# Allegro board trx_layout.brd (continued)
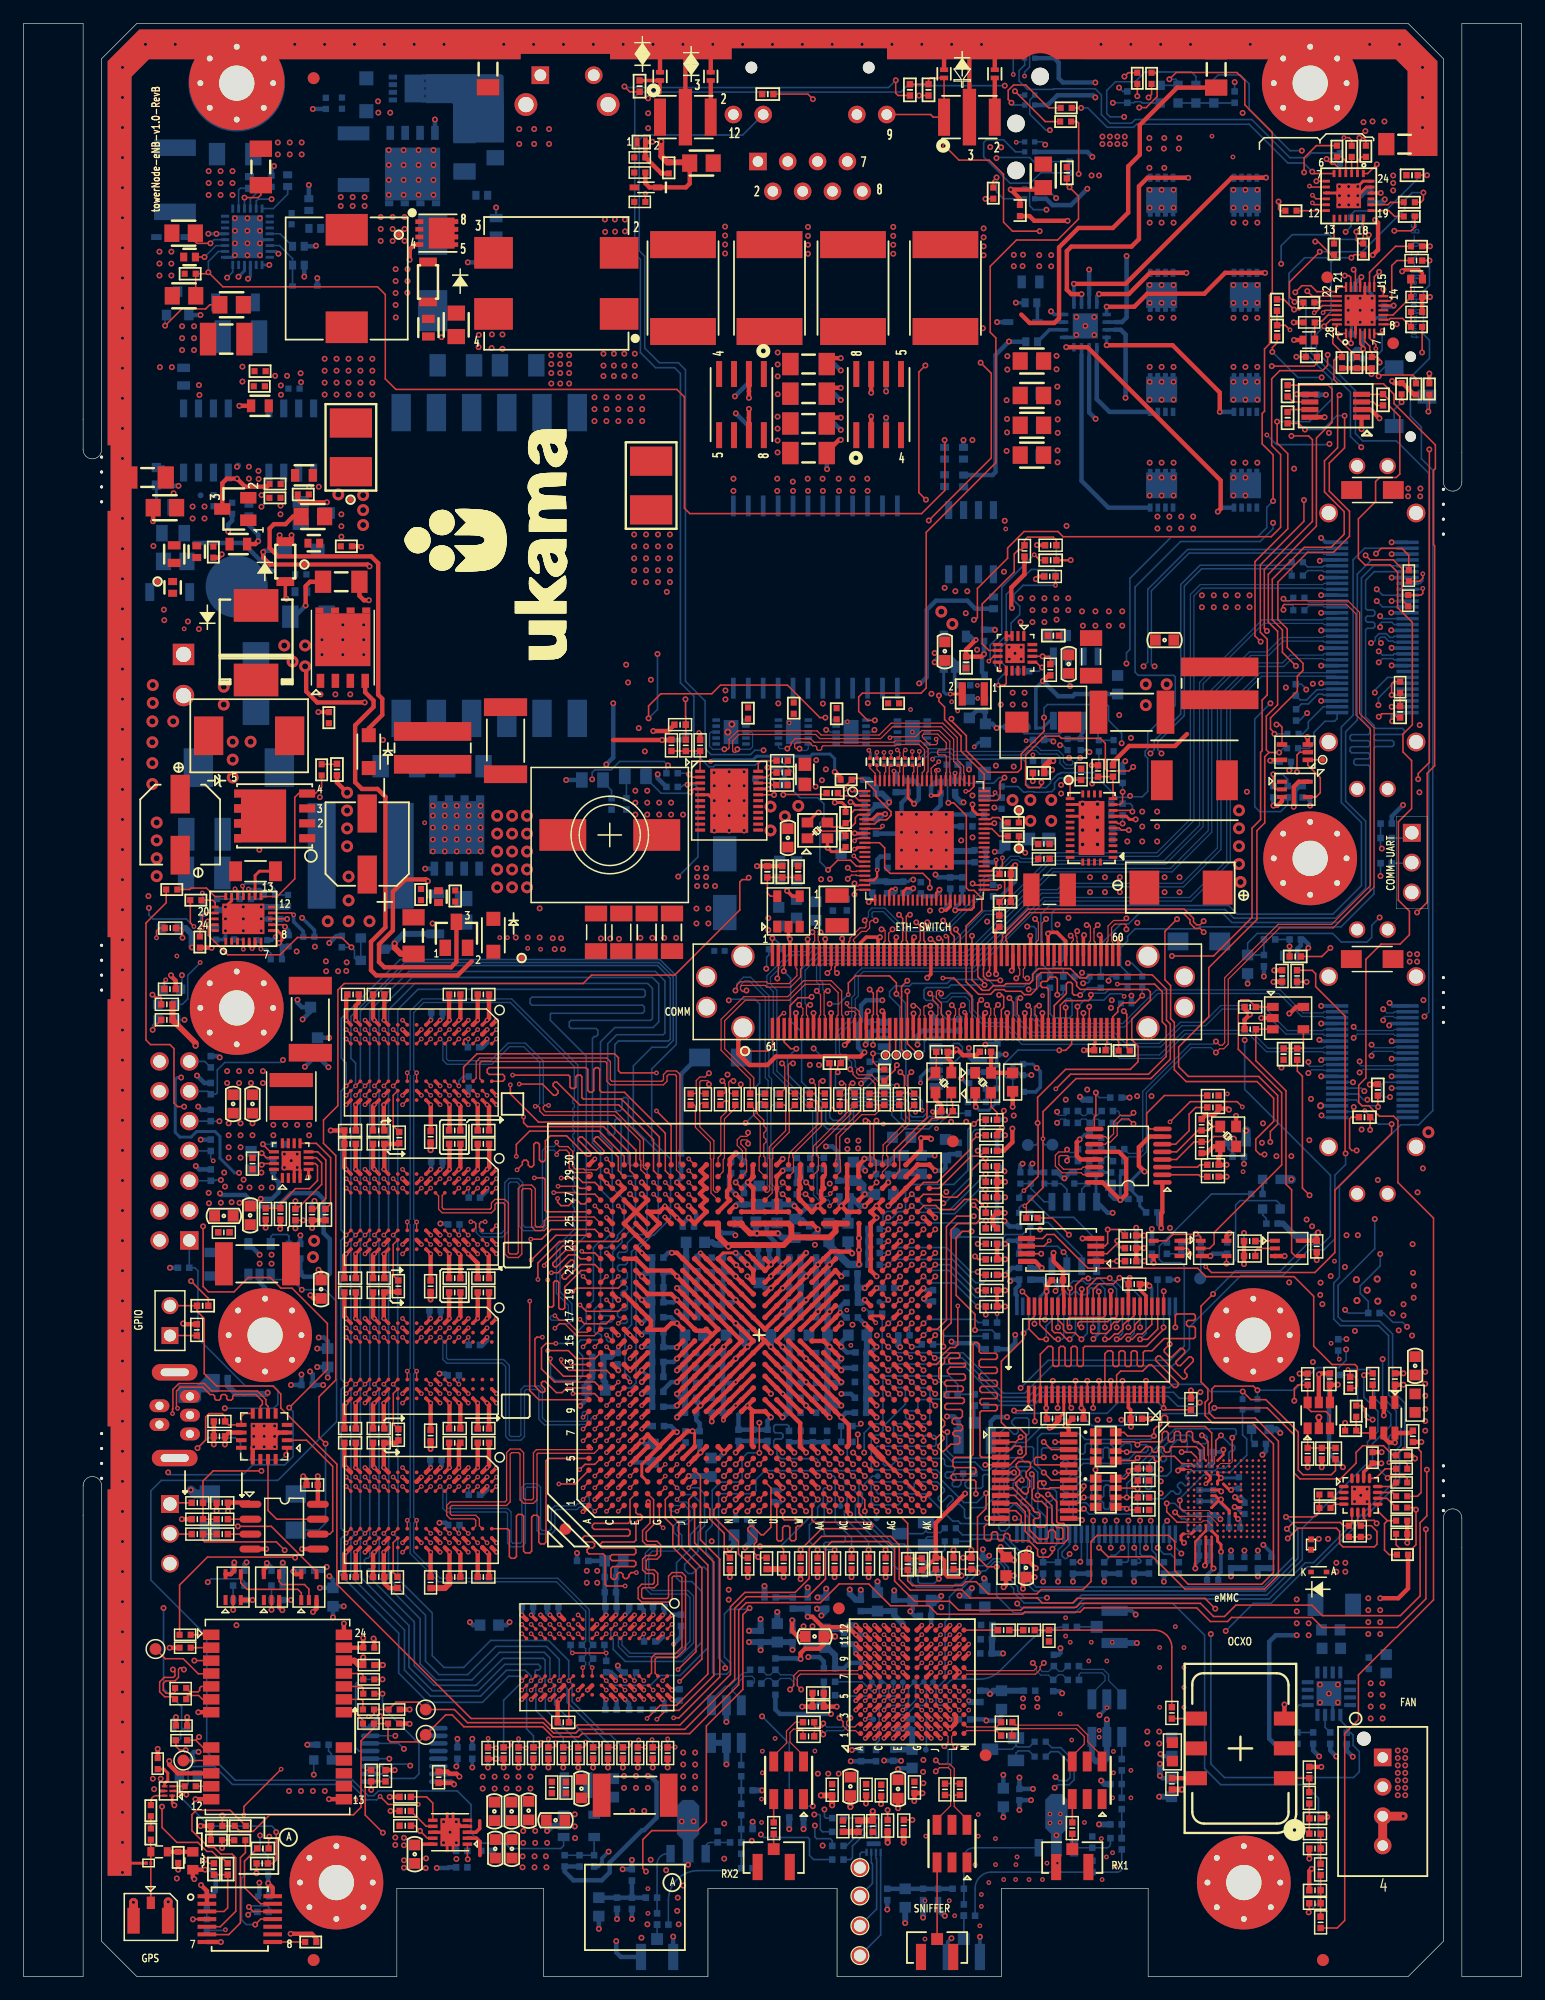
[diagram p0: board, top side]
## Placement (name value [footprint] x y rotation side) (continued)
R233  0  [EIA-0402]  32.52 14.09 180 top
R234  0  [EIA-0402]  73.61 12.85 270 top
R235  14.3K/1%  [EIA-0402]  74.98 12.85 90 top
R236  1K  [EIA-0402]  32.52 12.84 0 top
R237  1/1%  [EIA-0402]  71.12 12.8 270 top
R238  10K/1%  [EIA-0402]  110.02 12.16 180 top
R239  0  [EIA-0402]  110.5 9.12 90 top
R240  49.9/1%  [EIA-0402]  110.01 6.24 0 top
R241  0  [EIA-0402]  115.81 134.25 90 top
R242  0/DNP  [EIA-0402]  110.5 4.61 90 top
R245  10K  [R0402]  27.13 159.51 90 bottom
R248  15m  [RC2010]  28.12 154.74 270 bottom
R250  0  [RC0402]  22.5 152.91 270 bottom
R251  29.4K  [R0402]  21.13 152.86 90 bottom
R252  107K  [RC0402]  19.25 152.76 270 bottom
R255  100  [RC0402]  39.04 151.66 0 bottom
R256  0  [RC0402]  24.31 150.88 90 bottom
R258  3.3K  [RC0603]  40.26 148.97 270 bottom
R259  0  [RC0402]  24.82 148.84 0 bottom
R262  0  [RC0402]  23.42 147.32 180 bottom
R263  0  [RC0402]  23.42 145.72 180 bottom
R265  DNP  [RC0402]  85.82 142.51 0 bottom
R267  0  [RC0402]  85.88 139.19 180 bottom
R268  75E  [RC0603]  85.84 137.42 0 bottom
R269  1M  [RC1206]  66.88 137.3 0 bottom
R270  OPT  [RC1206]  36.83 137.19 180 bottom
R271  4.7k  [RC0603]  13.64 136.22 270 bottom
R272  1M  [RC1206]  66.88 134.77 0 bottom
R273  75E  [RC0603]  85.8 134.76 0 bottom
R274  1M  [RC1206]  66.88 132.23 180 bottom
R275  75E  [RC0603]  85.84 132.04 0 bottom
R276  1M  [RC1206]  66.88 129.72 180 bottom
R277  75E  [RC0603]  85.8 129.49 0 bottom
R278  0  [RC0402]  80.09 127.34 90 bottom
R279  10K  [R0402]  16.19 125.66 270 bottom
R280  20K  [RC0402]  19.2 124.86 270 bottom
R281  OPT  [RC0805]  12.93 120.49 0 bottom
R282  5.1K  [RC0402]  23.63 117.91 0 bottom
R283  0E  [R0402]  108.64 117.4 180 bottom
R284  1K  [RC0402]  82.63 116.96 270 bottom
R285  0E  [R0402]  108.64 116.33 180 bottom
R286  14K/1%  [EIA-0402]  87.5 120.59 0 bottom
R287  OPT  [RC1206]  31.98 103.05 0 bottom
R288  0  [EIA-0402]  55.25 102.46 0 bottom
R289  2.05/1%  [EIA-0805]  52.13 102.18 180 bottom
R291  2.05/1%  [EIA-0805]  48.46 101.88 0 bottom
R292  10K  [EIA-0402]  55.25 101.29 0 bottom
R293  15K/1%  [EIA-0402]  107.7 100.88 90 bottom
R294  17.4K/1%  [EIA-0402]  93.15 99.87 0 bottom
R295  4.7K  [EIA-0402]  116.08 98.17 180 bottom
R296  33  [EIA-0402]  116.08 96.93 180 bottom
R298  33  [EIA-0402]  116.08 94.79 180 bottom
R299  OPT  [RC0805]  37.49 90.78 90 bottom
R300  0  [EIA-0402]  106.15 88.3 0 bottom
R302  0Ohm/DNP  [R0402]  63.97 87.47 0 bottom
R303  10K  [EIA-0402]  105.67 86.49 90 bottom
R304  0Ohm  [R0402]  93.58 85.14 0 bottom
R305  0Ohm  [R0402]  91.29 85.14 0 bottom
R306  0Ohm  [R0402]  89.06 85.14 180 bottom
R307  0Ohm  [R0402]  86.97 85.14 0 bottom
R308  0Ohm  [R0402]  95.3 84.68 90 bottom
R309  0Ohm/DNP  [R0402]  94.05 84.67 90 bottom
R310  0Ohm/DNP  [R0402]  91.77 84.67 90 bottom
R311  0Ohm/DNP  [R0402]  88.58 84.67 90 bottom
R312  0Ohm/DNP  [R0402]  87.45 84.67 90 bottom
R313  100/1%  [EIA-0402]  35.21 82.1 0 bottom
R316  10K  [EIA-0402]  71.99 80.78 90 bottom
R317  22  [EIA-0402]  38.34 79.12 180 bottom
R318  10K  [EIA-0402]  15.95 77.89 270 bottom
R319  10K  [EIA-0402]  72.09 77.4 90 bottom
R324  22  [EIA-0402]  37.92 76.15 90 bottom
R325  1K  [EIA-0402]  15.95 75.6 270 bottom
R327  -  [EIA-0402]  90.83 74.18 270 bottom
R328  33  [EIA-0402]  92.33 73.69 180 bottom
R329  1K  [EIA-0402]  15.95 73.32 270 bottom
R330  10K  [EIA-0402]  82.45 72.95 0 bottom
R331  33  [EIA-0402]  92.33 72.68 180 bottom
R332  -  [EIA-0402]  90.83 72.2 90 bottom
R333  1K  [EIA-0402]  82.45 71.63 0 bottom
R334  -  [EIA-0402]  91.8 70.92 270 bottom
R335  1K  [EIA-0402]  15.95 70.78 270 bottom
R336  33  [EIA-0402]  90.31 70.44 0 bottom
R337  1K  [EIA-0402]  82.45 70.31 0 bottom
R338  33  [EIA-0402]  90.3 69.42 0 bottom
R339  2.37K/1%  [EIA-0402]  65.87 69.21 90 bottom
R340  10K  [EIA-0402]  21.29 69.09 90 bottom
R341  1K/DNP  [EIA-0402]  82.45 68.99 0 bottom
R342  -  [EIA-0402]  91.8 68.94 90 bottom
R343  2.37K/1%  [EIA-0402]  61.3 68.89 270 bottom
R344  49.9/1%  [EIA-0402]  60.28 68.88 270 bottom
R345  37.4/1%  [EIA-0402]  72.63 68.81 270 bottom
R346  1K  [EIA-0402]  15.96 68.24 270 bottom
R347  10K  [R0402]  90.63 68 90 bottom
R348  100K/DNP  [R0402]  89.51 68 270 bottom
R349  100K/DNP  [R0402]  87.84 67.99 270 bottom
R350  10K  [R0402]  86.95 67.99 90 bottom
R351  10K  [R0402]  85.81 67.99 90 bottom
R352  100K/DNP  [R0402]  84.92 67.99 270 bottom
R353  1K  [EIA-0402]  82.45 67.67 0 bottom
R354  49.9/1%  [EIA-0402]  65.87 67.09 270 bottom
R355  1K  [EIA-0402]  82.45 66.34 0 bottom
R356  22  [EIA-0402]  38.41 66.32 180 bottom
R357  0E  [R0402]  85.3 66.3 180 bottom
R364  0E  [R0402]  85.3 65.03 180 bottom
R365  1K/DNP  [EIA-0402]  82.45 65.02 0 bottom
R366  22  [EIA-0402]  36.66 64.04 0 bottom
R367  10K  [R0402]  85.3 63.86 0 bottom
R368  1K/DNP  [EIA-0402]  82.45 63.7 0 bottom
R369  10K/DNP  [EIA-0402]  72.46 63.66 0 bottom
R370  0  [EIA-0402]  94.31 63.09 180 bottom
R371  100K/DNP  [R0402]  85.3 62.65 180 bottom
R372  0  [EIA-0402]  104.45 62.62 180 bottom
R373  10K/DNP  [EIA-0402]  72.46 62.59 0 bottom
R374  1K/DNP  [EIA-0402]  82.45 62.38 0 bottom
R375  10K/1%  [EIA-0402]  23.1 62.38 180 bottom
R378  0  [EIA-0402]  100.28 62.03 90 bottom
R379  0/DNP  [EIA-0402]  94.31 62.02 180 bottom
R380  4.7K  [EIA-0402]  97.4 62.02 270 bottom
R381  10K  [EIA-0402]  72.46 61.6 0 bottom
R382  10K  [EIA-0402]  85.3 61.54 180 bottom
R383  1K/DNP  [EIA-0402]  82.45 61.06 0 bottom
R384  0  [EIA-0402]  94.32 60.91 180 bottom
R385  0  [EIA-0402]  118.67 146.11 180 top
R386  10K/DNP  [EIA-0402]  72.46 60.61 0 bottom
R387  1K  [EIA-0402]  13.64 60.35 0 bottom
R388  15K/1%  [EIA-0402]  23.1 59.86 180 bottom
R389  1K  [EIA-0402]  82.45 59.74 0 bottom
R390  4.7K  [EIA-0402]  97.08 59.33 0 bottom
R391  10K  [EIA-0402]  73.69 58.63 0 bottom
R392  1K  [EIA-0402]  82.45 58.42 180 bottom
R393  1K  [EIA-0402]  82.45 57.05 180 bottom
R394  DNP  [EIA-0402]  115.04 56.49 0 bottom
R395  0  [EIA-0402]  72.67 56.44 180 bottom
R396  0  [EIA-0402]  82.45 55.68 0 bottom
R397  DNP  [EIA-0402]  75 54.59 0 bottom
R398  0  [EIA-0402]  82.45 54.52 0 bottom
R399  0  [EIA-0402]  76.99 53.83 0 bottom
R401  0  [EIA-0402]  111.99 53.78 270 bottom
R405  22  [EIA-0402]  38.41 53.77 180 bottom
R406  1K/1%  [EIA-0402]  48.93 52.76 180 bottom
R407  1K/1%  [EIA-0402]  50.6 52.61 90 bottom
R408  22  [EIA-0402]  36.61 51.18 0 bottom
R409  0  [EIA-0402]  16.92 50.95 180 bottom
R410  0  [EIA-0402]  79.1 49.57 180 bottom
R411  DNP  [EIA-0402]  24.16 50.37 0 bottom
R412  0/DNP  [EIA-0402]  81.03 49.09 270 bottom
R413  0  [EIA-0402]  81.51 48.61 180 bottom
R414  0  [EIA-0402]  70.14 46.87 180 bottom
R415  1K  [EIA-0402]  65.21 45.98 90 bottom
R416  DNP  [EIA-0402]  70.14 45.52 180 bottom
R417  22  [EIA-0402]  80.52 42.82 180 bottom
R418  22  [EIA-0402]  38.41 41.02 180 bottom
R419  4.7K  [R0402]  100.61 39.29 180 bottom
R420  4.7K  [R0402]  100.61 38.15 180 bottom
R421  22  [EIA-0402]  36.66 38.43 0 bottom
R422  0E  [R0402]  78.95 38.17 180 bottom
R423  0E  [R0402]  78.95 37.05 180 bottom
R424  100/1%  [EIA-0402]  47.63 35.38 0 bottom
R425  DNP  [EIA-0402]  93.34 34.79 270 bottom
R426  10K  [EIA-0402]  98.42 34.79 270 bottom
R427  10K  [EIA-0402]  97.15 34.79 270 bottom
R428  DNP  [EIA-0402]  95.88 34.79 270 bottom
R429  DNP  [EIA-0402]  94.61 34.79 270 bottom
R430  DNP  [EIA-0402]  92.07 34.79 270 bottom
R431  4.7K  [EIA-0402]  90.8 34.79 270 bottom
R432  4.7K  [EIA-0402]  89.4 34.79 270 bottom
R433  10K  [EIA-0402]  88.13 34.79 270 bottom
R434  10K/DNP  [EIA-0402]  86.86 34.79 270 bottom
R435  10K  [EIA-0402]  21.61 33.28 180 bottom
R436  4.7K  [EIA-0402]  18.34 33.28 180 bottom
R437  10K  [EIA-0402]  21.61 32.06 180 bottom
R438  1/1%  [EIA-0402]  65.53 31.8 90 bottom
R439  0  [EIA-0402]  89.26 29.77 180 bottom
R440  22  [EIA-0402]  53.35 28.53 180 bottom
R441  36/1%  [EIA-0402]  49.01 28.23 0 bottom
R442  36/1%  [EIA-0402]  47.08 28.23 180 bottom
R443  22  [EIA-0402]  51.7 25.89 0 bottom
R444  0  [EIA-0402]  68.66 25.1 180 bottom
R445  0  [EIA-0402]  68.66 23.95 180 bottom
R446  0Ohm  [EIA-0402]  13.94 20.6 270 bottom
R447  10K  [R0402]  12.75 20.59 90 bottom
R448  43K/1%  [EIA-0402]  108.52 20.3 270 bottom
R449  27K/1%  [EIA-0402]  109.86 20.3 90 bottom
R450  10K  [EIA-0402]  112.73 20.27 90 bottom
R451  0E  [R0402]  86.61 19.99 180 bottom
R452  36/1%  [EIA-0402]  54.87 19.03 270 bottom
R453  36/1%  [EIA-0402]  53.6 19.03 270 bottom
R454  36/1%  [EIA-0402]  52.33 19.03 270 bottom
R455  36/1%  [EIA-0402]  51.06 19.03 270 bottom
R456  36/1%  [EIA-0402]  49.79 19.03 270 bottom
R457  36/1%  [EIA-0402]  48.52 19.03 270 bottom
R458  36/1%  [EIA-0402]  47.25 19.03 270 bottom
R459  36/1%  [EIA-0402]  45.98 19.03 270 bottom
R460  36/1%  [EIA-0402]  44.71 19.03 270 bottom
R461  36/1%  [EIA-0402]  43.44 19.03 270 bottom
R462  36/1%  [EIA-0402]  42.17 19.03 270 bottom
R463  36/1%  [EIA-0402]  40.9 19.03 270 bottom
R464  4.7K  [EIA-0402]  39.57 19.03 270 bottom
R465  0  [EIA-0402]  72.62 18.81 270 bottom
R466  0  [EIA-0402]  71.35 18.81 270 bottom
R467  0E  [R0402]  86.61 18.72 180 bottom
R468  0  [EIA-0402]  66.45 14.02 270 bottom
R469  0  [EIA-0402]  65.23 14.02 90 bottom
R470  0  [EIA-0402]  69.37 13.49 0 bottom
R471  0  [EIA-0402]  69.37 12.32 0 bottom
R472  0  [EIA-0402]  69.37 11.13 0 bottom
R473  0  [EIA-0402]  69.37 9.96 0 bottom
R474  10K  [EIA-0402]  39.47 10.69 180 bottom
R475  10K  [EIA-0402]  37.34 10.69 180 bottom
R476  10K/1%  [EIA-0402]  48.61 9.84 90 bottom
R477  20K/1%  [EIA-0402]  46.1 9.84 90 bottom
R481  0Ohm  [R0402]  73.33 76.76 270 top
R482  0  [EIA-0402]  117.27 107.68 90 top
R483  0Ohm  [EIA-0402]  108.38 109.55 90 bottom
R484  0Ohm  [EIA-0402]  108.41 107.42 270 bottom
R485  0Ohm  [R0402]  108.14 105.8 0 bottom
R486  0Ohm  [R0402]  108.1 104.58 0 bottom
R545  45K/1%  [EIA-0402]  63.37 94.07 270 top
R546  30K/1%  [EIA-0402]  65.99 94.07 270 top
R616  0  [EIA-0402]  20.4 5.5 180 bottom
R620  10K  [R0402]  20.84 9.16 270 bottom
R621  1K  [R0402]  119.76 135.17 90 top
R622  0  [R0402]  18.43 11.6 0 top
R623  0  [R0402]  18.46 12.83 0 top
R624  10K  [R0402]  15.62 6.41 90 bottom
R625  10K/DNP  [R0402]  16.44 11.61 0 top
R626  10K/DNP  [R0402]  16.46 12.82 0 top
R627  0  [EIA-0402]  20.39 10.91 0 top
R628  0  [EIA-0402]  107.68 132.72 90 top
R629  0  [EIA-0402]  107.68 135.01 270 top
R630  0  [EIA-0402]  113.01 50.58 270 top
R631  0  [EIA-0402]  85.9 64.59 0 top
R632  0 OHM  [R0402]  109.51 142.52 180 bottom
R633  0 OHM  [R0402]  109.7 137.91 0 top
R634  0ohm  [R0402]  114.13 147.08 90 top
R635  0ohm  [R0402]  118.05 149.86 180 top
R636  0ohm  [R0402]  118.05 151.07 180 top
R637  10K  [R0402]  24.47 2.94 0 top
R638  0  [EIA-0402]  20.34 9.63 180 top
R639  4.99K 1%  [R0402]  72.14 100.72 180 bottom
R640  36K/1%  [EIA-0402]  81.88 110.36 270 bottom
R641  39.2K/1%  [EIA-0402]  81.82 114.19 90 bottom
R642  47K  [R0402]  21.41 90.04 0 bottom
R643  43.2K  [R0402]  20.96 92.09 180 bottom
R644  6.49K  [R0402]  22.53 91.62 90 bottom
R645  43.2K  [R0402]  18.9 91.74 0 bottom
R646  3.65K  [R0402]  16.49 91.27 90 bottom
R647  10K  [R0402]  24.31 88.52 0 bottom
R648  10K  [R0402]  20.3 88.24 0 bottom
R649  1.5K  [R0402]  21.54 86.61 180 bottom
R650  0.004  [R1206]  19.77 94.11 180 top
R651  0E  [R0402]  14.68 91.64 0 top
R652  10K  [R0402]  15.02 88.08 90 top
R653  0E  [R0402]  15.27 90.95 270 bottom
R654  0E  [R0402]  12.63 92.55 0 top
R655  0ohm  [R0402]  82.44 75.6 180 bottom
R656  10K  [R0402]  81.83 77.49 270 bottom
R657  10K/DNP  [R0402]  80.56 76.53 270 bottom
R658  10K  [R0402]  82.45 74.46 0 bottom
R659  10K  [R0402]  84.75 75.32 180 bottom
R660  22  [EIA-0402]  68.9 100.77 180 top
R661  0  [EIA-0402]  69.13 77.77 0 top
R662  360E  [R0402]  112.14 154.79 90 bottom
R663  360E  [R0402]  94.88 161.63 90 top
R664  560E  [R0402]  96.1 161.62 90 top
R665  360E  [R0402]  88.82 159.1 180 top
R666  560E  [R0402]  114.35 155.41 90 top
R667  360E  [R0402]  88.78 157.94 180 top
R668  360E  [R0402]  89.11 154.06 270 bottom
R669  560E  [R0402]  113.15 155.4 90 top
R670  360E  [R0402]  107.97 150.35 180 top
R671  360E  [R0402]  82.61 151.84 90 top
R672  360E  [R0402]  111.64 147.08 270 top
R673  560E  [R0402]  111.89 155.42 90 top
R674  0ohm/DNP  [R0402]  113.56 149.78 0 bottom
R675  0  [EIA-0402]  16.22 9.15 90 top
R676  0/DNP  [EIA-0402]  17.39 9.15 90 top
R677  0  [EIA-0402]  106.78 142.32 90 top
R678  0/DNP  [EIA-0402]  106.79 140.11 270 top
R679  10K  [R0402]  118.67 147.32 0 top
R680  10K  [R0402]  118.62 135.17 90 top
R681  10K  [R0402]  117.39 135.19 90 top
R682  0  [R0402]  15.62 4.4 90 bottom
R683  0 OHM  [R0402]  118.67 140.46 0 top
R685  10K/DNP  [EIA-0402]  111.7 51.22 180 bottom
R686  10K/DNP  [EIA-0402]  118.28 153.37 180 top
R687  10K/DNP  [R0402]  112.32 137.41 90 top
R688  0E  [R0402]  88.94 104.9 270 bottom
R689  100K  [R0402]  84.2 106.4 180 bottom
R690  0E  [R0402]  91.61 104.78 270 bottom
R691  10K  [R0402]  92.86 104.8 90 bottom
R692  10K  [R0402]  90.06 104.9 90 bottom
R693  10K  [R0402]  70.08 101.9 0 top
R694  10K/DNP  [R0402]  71.03 101.9 0 bottom
R695  10K/DNP  [R0402]  114.86 137.41 90 top
R696  10K/DNP  [R0402]  113.59 137.41 90 top
R697  0E/DNP  [R0402]  83.33 100.85 270 bottom
R698  0E/DNP  [R0402]  79.11 103.19 0 bottom
R699  4.7K/DNP  [EIA-0402]  86.47 105.29 180 bottom
R700  4.7K  [EIA-0402]  83.62 93.87 0 top
R701  4.7K/DNP  [EIA-0402]  83.12 89.86 90 top
R702  4.7K  [EIA-0402]  83.62 91.5 0 top
R703  4.7K  [EIA-0402]  86.47 102.48 180 top
R704  4.7K/DNP  [EIA-0402]  86.46 102.48 0 bottom
R705  4.7K/DNP  [EIA-0402]  86.48 103.5 180 bottom
R706  4.7K  [EIA-0402]  82.6 92.46 270 bottom
R707  10K  [R0402]  113.6 137.77 0 bottom
R708  150E  [EIA-0402]  103.17 160.02 90 bottom
R709  150E  [EIA-0402]  94.03 160.02 90 bottom
R710  0/DNP  [EIA-0402]  77.09 160.64 270 top
R711  0  [EIA-0402]  75.51 160.64 90 top
R712  0  [EIA-0402]  88.88 153.58 90 top
R713  0/DNP  [EIA-0402]  80.46 73.98 90 bottom
R714  0  [EIA-0402]  63.4 160.28 180 top
R715  0  [EIA-0402]  52.48 160.95 90 top
R716  1K  [R0402]  25.4 102.74 270 top
R719  10K/DNP  [R0402]  117.47 35.92 0 top
R720  0  [EIA-0402]  75.57 34.71 270 bottom
R721  0  [EIA-0402]  75.32 35.1 270 top
R722  0E  [R0402]  83.33 99.9 90 bottom
R723  0E  [R0402]  80.06 103.19 180 bottom
R724  1K  [EIA-0402]  76.51 35.11 90 top
R725  1K  [EIA-0402]  76.76 34.72 90 bottom
R726  0E/DNP  [R0402]  84.32 97.09 0 top
R727  0E/DNP  [R0402]  84.32 98.26 0 top
R729  20K  [RC0402]  78.47 127.37 90 bottom
R730  5K  [RC0402]  80.07 129.7 90 bottom
R731  18K  [RC0402]  78.47 129.7 90 bottom
R732  DNP  [EIA-0402]  91.05 11.44 90 bottom
R733  0  [EIA-0402]  91.06 9.37 90 bottom
R734  DNP  [EIA-0402]  59.13 11.89 90 bottom
R735  0  [EIA-0402]  61.63 9.22 0 bottom
S1  TL1105JAF160Q  [SW_TL1105JAF160Q]  46.3 161.89 0 bottom
SW1  Tact Switch  [SW-TLS3305]  19.54 39.55 0 bottom
SW10  CL-SB-12A-01  [SW_CL_SB_12A_01]  118.16 134.52 90 bottom
T1  EPC3577G-LF  [XFMR_3P00_23P0X21P08_11P5]  39.67 120.14 270 bottom
T2  ETH1-460LD  [XFMR_ETH1-460LD]  67.46 117.45 270 bottom
TP2  TestPad_DNP  [SMD20-A]  89.03 101.88 0 top
TP3  TestPad_DNP  [SMD20-A]  110.67 103.6 180 top
TP12  TestPad_DNP  [SMD20-A]  73.43 78.46 0 top
TP13  TestPad_DNP  [SMD20-A]  74.35 78.46 0 top
TP14  TestPad_DNP  [SMD20-A]  75.26 78.46 0 top
TP15  TestPad_DNP  [SMD20-A]  76.25 78.46 0 top
TP17  T POINT R  [TP_40C]  11.25 27.88 0 top
TP18  T POINT R  [TP_40C]  34.27 22.73 0 top
TP19  T POINT R  [TP_40C]  34.27 20.57 0 top
TP20  T POINT R  [TP_40C]  13.62 18.39 0 top
TP21  T POINT R  [TP_40C]  87.65 70.83 0 bottom
TP22  T POINT R  [TP_40C]  85.56 70.8 0 bottom
TP23  T POINT R  [TP_40C]  79.38 63.27 0 bottom
TP24  T POINT R  [TP_40C]  100.23 59.44 180 bottom
TP25  TestPad_DNP  [SMD20-A]  72.91 57.44 270 bottom
TP26  TestPad_DNP  [SMD20-A]  74.16 57.11 270 bottom
TP27  TestPad_DNP  [SMD20-A]  75.17 57.1 270 bottom
TP28  TestPad_DNP  [SMD20-A]  75.19 56.11 270 bottom
TP29  TestPad_DNP  [SMD20-A]  74.12 56.08 270 bottom
TP30  TestPad_DNP  [SMD20-A]  76.17 50.11 270 bottom
TP31  TestPad_DNP  [SMD20-A]  74.17 49.11 270 bottom
TP32  TestPad_DNP  [SMD20-A]  68.15 44.12 180 bottom
TP33  TestPad_DNP  [SMD20-A]  69.19 44.09 180 bottom
TP34  TestPad_DNP  [SMD20-A]  72.77 42.6 180 bottom
TP35  TestPad_DNP  [SMD20-A]  70.13 42.06 180 bottom
TP36  TestPad_DNP  [SMD20-A]  72.67 39.01 180 bottom
TP37  TestPad_DNP  [SMD20-A]  69.6 40.06 180 bottom
TP38  TestPad_DNP  [SMD20-A]  77.5 25.08 270 bottom
TP39  TestPad_DNP  [SMD20-A]  76.7 25.08 270 bottom
TP40  TestPad_DNP  [SMD20-A]  75.9 25.08 270 bottom
TP41  TestPad_DNP  [SMD20-A]  73.08 25.06 270 bottom
TP42  TestPad_DNP  [SMD20-A]  72.28 25.06 270 bottom
TP43  TestPad_DNP  [SMD20-A]  74.9 25.05 270 bottom
TP44  TestPad_DNP  [SMD20-A]  74.1 25.05 270 bottom
TP45  TestPad_DNP  [SMD20-A]  72.39 21.89 0 bottom
TP46  TestPad_DNP  [SMD20-A]  76.86 19.3 0 bottom
TP47  TestPad_DNP  [TP-40D]  71.25 9.27 0 top
TP48  TestPad_DNP  [TP-40D]  71.25 1.78 0 top
TP49  TestPad_DNP  [TP-40D]  71.25 4.32 0 top
TP50  TestPad_DNP  [TP-40D]  71.25 6.86 0 top
TP51  TestPad_DNP  [SMD20-A]  61.47 78.8 0 top
TP52  TestPad_DNP  [SMD20-A]  84.79 96.05 0 top
TP53  TestPad_DNP  [SMD20-A]  84.79 99.3 0 top
U1  -  [CNF7130-1000BG772-G]  62.67 54.61 90 top
U3  AD9363ABCZ  [BGA_AD9362BBCZ]  75.71 25.1 90 top
U4  TPS54519  [TQFN-16]  84.46 112.66 270 top
U5  SN74LVC1G08DCKR  [SC70_5P]  108.31 104.25 90 top
U6  74LVC1G17SE-7  [SOT-353]  108.31 101.08 270 top
U7  TPS53353DQPT  [SON50P500X600X150-23N]  60.11 100.12 0 top
U8  LM73606RNPR  [LM73606]  90.98 97.79 180 top
U9  SEP0640Q38CB  [SON127P600X500X163-8N]  61.16 133.84 270 top
U10  MCP1316  [SOT-23-5]  107.73 81.6 270 top
U11  DDR3_128/256Mb*16  [FBGA96_DDR3]  33.89 77.83 270 top
U12  Oscillator 50Mhz  [OSC-250X200X55]  81.75 76.1 270 top
U13  PI6C557-03BLE/5V41235PGGI8  [TSSOP16]  94.12 69.89 90 top
U14  TPS54319  [TQFN-16]  22.81 69.47 90 top
U15  DDR3_128/256Mb*16  [FBGA96_DDR3]  33.89 65.13 270 top
U16  74LVC1G08SE-7  [SOT-353]  101.38 61.99 270 top
U17  74LVC1G08SE-7  [SOT-353]  107.7 61.99 270 top
U18  74LVC1G17SE-7  [SOT-353]  97.37 61.99 90 top
U19  AT24C64D-XHM-B  [TSSOP8]  88.39 61.87 180 top
U21  SX1509B  [QFN40P400X400X60-29N]  113.86 141.87 90 top
U22  74ALVT16373DGG  [TSSOP48]  91.37 53.31 0 top
U23  DDR3_128/256Mb*16  [FBGA96_DDR3]  33.89 52.43 270 top
U24  DMC2038LVT-7  [TSOT-26-6]  110.34 47.78 90 top
U25  TXB0101DBVR  [SOT-23-6]  115.88 47.58 270 top
U26  FT230XQ  [QFN-16]  20.5 45.99 90 top
U27  SN74CBTD3861PWR  [TSSOP-24]  86.14 42.59 0 top
U28  TMP464AIRGTR  [QFN50P300X300X100-17N]  113.91 40.97 0 top
U29  EMMC16G-M525-B53  [WFBGA_EMMC153]  102.47 40.68 0 top
U30  DDR3_128/256Mb*16  [FBGA96_DDR3]  33.89 39.73 270 top
U31  ADUM1201ARZ/ISO7221  [SO8]  22.2 38.3 270 top
U32  74LVC1G17SE-7  [SOT-353]  17.86 33.16 0 top
U33  74LVC1G17SE-7  [SOT-353]  21.13 33.16 0 top
U34  74LVC1G08SE-7  [SOT-353]  24.31 33.16 0 top
U35  DDR3_128/256Mb*16  [FBGA96_DDR3]  48.84 27.18 270 top
U36  SEP0640Q38CB  [SON127P600X500X163-8N]  72.85 133.84 90 top
U37  NEO-M8  [NEO-1P1X640X480X24N]  21.64 22.1 270 top
U38  OCXO-30.72Mhz/U7769LF  [RMO1490A]  103.66 19.42 90 top
U39  TCM1-63AX+  [TCM1-63AX]  65.18 16.71 180 top
U40  TCM1-63AX+  [TCM1-63AX]  90.61 16.71 180 top
U41  NJG1143UA2  [EPFFP_0P4X1P0X1P0X6N]  12.35 15.8 90 top
U42  TPS51200DRCT  [IC_TPS51200]  36.34 12.29 180 top
U43  TCM1-63AX+  [TCM1-63AX]  79.1 11.32 180 top
U44  DAC8571IDGKR  [MSOP-8]  111.78 133.74 90 top
U45  LT4295IUFD  [QFN50P400X500X80-29N_REL]  19.08 148.13 0 bottom
U46  LT4321IUF  [QFN65P400X400X80-17N]  90.45 140.54 180 bottom
U47  SEP0640Q38CB  [SON127P600X500X163-8N]  72.85 133.84 90 bottom
U48  SEP0640Q38CB  [SON127P600X500X163-8N]  61.16 133.84 90 bottom
U49  MOC207M  [SOIC_1P27_5P2X4P2_3P65]  22.81 130.78 90 bottom
U50  MOC207M  [SOIC_1P27_5P2X4P2_3P65]  15.54 130.78 270 bottom
U51  MOC207M  [SOIC_1P27_5P2X4P2_3P65]  80.72 122.13 90 bottom
U52  TCLAMP2502NTCT  [SON50P260X260X65-11N]  75.72 105.96 0 bottom
U53  TCLAMP2502NTCT  [SON50P260X260X65-11N]  70.5 105.96 180 bottom
U54  TCLAMP2502NTCT  [SON50P260X260X65-11N]  65.58 105.96 0 bottom
U55  TCLAMP2502NTCT  [SON50P260X260X65-11N]  60.28 105.96 180 bottom
U57  74LVC1G17SE-7  [SOT-353]  107.85 85.83 0 bottom
U58  NVT2002DP  [TSSOP_8P_3_10X3_10_1_10MM]  75.52 80.21 180 bottom
U59  NVT2002DP  [TSSOP_8P_3_10X3_10_1_10MM]  75.57 76.84 180 bottom
U62  CAT24C256WI-GT3  [SOIC127P600X175-8N_ON-SEMI]  89.51 63.22 270 bottom
U63  AP3418KTR-G1  [SOT-23-5]  20.12 61.08 180 bottom
U64  JS28F512M29EWH  [IC_JS28F512M29EWH]  91.37 47.36 90 bottom
U65  ADP1755ACPZ-R7  [IC_ADP1755ACPZ-R7]  111.2 24.09 180 bottom
U66  TCM1-63AX+  [TCM1-63AX]  92.29 22 0 bottom
U67  TCM1-63AX+  [TCM1-63AX]  59.88 21.49 0 bottom
U68  74FST3257DTR2G  [TSSOP16]  32.44 18.87 90 bottom
U69  AP3418KTR-G1  [SOT-23-5]  47.31 12.83 90 bottom
U70  PGA102  [SOTFL150P409X160-4N]  87.99 12.88 180 bottom
U71  PGA102  [SOTFL150P409X160-4N]  56.62 12.37 180 bottom
U83  AP3418KTR-G1  [SOT-23-5]  65.17 90.69 0 top
U87  TCA9543A  [TSSOP65PX640X120X14N]  18.43 4.89 0 top
U90  IP4252CZ8-4-TTL,13  [SON40P135X170X55-9N]  72.42 11.3 270 bottom
U242  LP3943  [QFN50P410X410X80-25N]  112.89 151.61 180 top
U243  88E6341_QFN88  [QFN40P1000X1000X85-88N]  76.75 96.73 0 top
U245  AP3418KTR-G1  [SOT-23-5]  79.34 112.8 180 bottom
U246  LM25066  [QFN50P510X410X80-25N]  18.73 90.06 180 top
U248  -  [SN74AVC1T45DRLR]  83.59 77.03 270 bottom
U250  CAT24C64WI-GT3  [SOIC127P600X175-8N_ON-SEMI]  89.64 109.66 270 bottom
UNK01  E-SMT-060  [SMD20-A]  31.97 148.31 0 top
UNK02  E-SMT-060  [SMD20-A]  23.93 120.22 0 top
UNK03  E-SMT-060  [SMD20-A]  42.44 86.72 0 top
Y2  12MHZ  [OSC-250X200X55]  78.36 76.12 90 top
Y3  25MHz  [OSC-250X200X55]  102.62 71.53 270 top
Y4  25MHz  [OSC-250X200X55]  67.63 97.59 0 top
Z1  5.0SMDJ15A  [DIO_4P69_7P11X6P22_2P62]  19.81 113.56 90 top

## Library data of the parts
C1 C2 C5 C6 C8 C9 C13 C15 C16 C18 C19 C31-C34 C190 C193 C195 C196 = CAP_CER_0.1UF_10V_10%_X5R_0402
C2B1 C56 C236 C242 = CAPN#2: signal model: CAPACITOR20PF
C3 C4 = CAP_CER_X2Y_0603_100pF_20%
C7 C10-C12 C14 C23 C24 C50 C51 C183-C188 C191 C192 C194 C198 C199 C207 C212 C213 = CAP-NP
C17 C20 = CAP-NP: Tolerance: TOLERANCE; User Part Number: PART_NO
C21 C606 C607 = EMK212BJ105MG
C22 = 12063A222KAT2A_1
C25 C27 C30 C40 C41 C57-C61 C81-C85 C87-C90 C92 C94 C97-C105 C107-C110 C112 C113 C115 C117-C122 C124-C127 C133 C135-C141 C144-C147 C149 C150 C152 C154 C156 C157 C160-C165 C169 C171-C174 C176 C181 C182 C201 C202 C209-C211 C220 C222 C235 C247 C248 C251 C254 C258 C259 C263 C264 C266 C267 C269 C271 C274-C283 C287-C292 C294 C296-C299 C302-C318 C324-C330 C332-C344 C346-C366 C369 C373 C378 C388-C393 C395-C399 C401-C409 C412-C416 C418 C420 C422 C424-C436 C438-C440 C442-C444 C447 C448 C451-C454 C456 C458 C459 C461-C466 C604 C608-C615 C618 C619 C621-C623 C625-C629 C631-C633 C638 C640-C648 C653 C655-C658 = CAP_0402
C26 C29 C35 C37 C76 C96 C106 C111 C116 C123 C129 C130 C134 C159 C166-C168 C177-C179 C200 C203 C204 C214 C215 C238 C239 C241 C249 C252 C257 C261 C262 C270 C273 C293 C319-C323 C331 C345 C367 C371 C380 C383 C394 C410 C419 C421 C423 C437 C445 C449 C450 C602 C620 C624 C630 C639 C654 = CAP_0805
C28 C49 C52-C55 C77 C225 C226 C231 C400 C411 C417 = CAP_E_0
C38 C48 C189 C649 = CAP
C43 = CAP_0
C62 C79 C286 C616 C617 = CAP NP
C63-C75 C153 C243 C244 C255 C256 C284 C455 C600 C637 = CAP_NP: room: MPS1410
C80 C86 C91 C93 C245 C246 C250 C253 C260 = CAP NP_5
C95 C170 C268 C446 C601 C603 C635 C636 = CAP_NP: room: POWER
C114 C158 C272 C605 C634 = CAP_NP
C128 C132 C206 C650 C651 = CAP_CER_0.1uF_0402_25V
C131 = CAP_CER_1.1uF_0402_25V
C142 C143 C148 C151 C155 C175 C295 C441 C652 = CAP CER 0.1UF 25V 10% X7R 0402
C180 = CAP_CER_22pF_50V_C0G,NPO_0201
C197 = 12063A222KAT2A_0
C237 C240 = CAPN#1: signal model: CAPACITOR20PF
C368 C370 C372 C374-C377 C379 C381 C382 C384-C387 = C
CON1 = UFLR_0
D1-D5 D28 = SMDJ36CA
D6 = RB751S40
D7 D19 = DIODE ZENER_0
D8 = LM431/SOT_1
D9 D22 D26 = DIODE ZENER1_0
D12 D13 D16 D21 = B0530W_0
D14 = RB751S40_0
D15 = ESD101B102ELSE6327XTSA1
D17 = DIODE_0
D18 = DIODE SCHOTTKY_0
D20 = MMSZ5254B-7-F_8
D24 = LED_GREEN
D27 D29 = BZX84C3V0/SOT_0
E1 = E
F1-F4 F6-F9 = FUSE_1
F5 = FUSE
FB1 FB4 FB18-FB20 = FB_1
H1-H8 = MOUNT_HOLE
J1 = HEADER 4
J3 J8 = HEADER 3_3
J4 = FX23-100P_COM
J5 = HEADER 7X2_0
J6 = HEADER 2_0
J7 = USB CON_1
J9 J10 J19 J20 = CON RF 3PIN_6
J11 J17 J18 = CON RF 3PIN
J12 = RJ45_CONN_0
J13 = FX23-60-SDR-CONN
J16 = FX23L-50-P-0_0.5SV10
J21 = 1715022_0: room: MAINS_FILTER_CKT
L1 L17 L18 = IND
L2 = IND_0
L3 L7 L10 = VLF10045T-2R2N7R4
L8 L9 L11-L15 L20-L26 L28-L39 L41-L47 = INDUCTOR
L16 = INDUCTOR_330nH_220mA_0805
L27 L40 L48 L50 = INDUCTOR: room: MPS1410
LED2-LED10 LED19-LED22 = LED: room: POWER
LED11 = 5977717507F
LIP1 LIP2 UNK01 UNK02 UNK03 = E-SMT-060
NR1 NR2 = RES_ARRAY2
Q1 Q11 = MOSFET N-DIODE-A-SO8_1
Q6 Q14 = MOSFET N-DIODE-A-SO8
Q12 Q28 Q29 = NPN_8
Q16 = MOSFET N-DIODE-A-SO8_0
Q18 Q19 Q21 Q22 Q24-Q27 = FDMC8327L_9
Q23 = 2N5401_0
Q30 = MOSFET N-DIODE-A-SO8_2
Q31 Q32 = NPN#1
Q34 = NPN BCE
R1 R10 R61-R64 R68-R70 R73-R76 R78 R87 R101 R110 R113 R114 R135-R138 R141 R146 R160 R180 R184 R188 R191-R193 R195 R201 R203 R232 R234 R235 R237-R242 R286 R288 R289 R291-R294 R300 R303 R340 R380 R409 R411 R435-R439 R444-R446 R448-R450 R465 R466 R468-R473 R628-R631 R685 R686 R732-R735 = RES_0402